# Altium PCB WX0.011.326PCB-4.2.PcbDoc
Units mm, origin at the board's own origin, x right, y up, seen from the top; angles counter-clockwise.
Board outline 106 x 136.8 mm, 2 copper layers (Top Layer, Bottom Layer); 42 components, 24 nets, 115 pads, 115 vias.
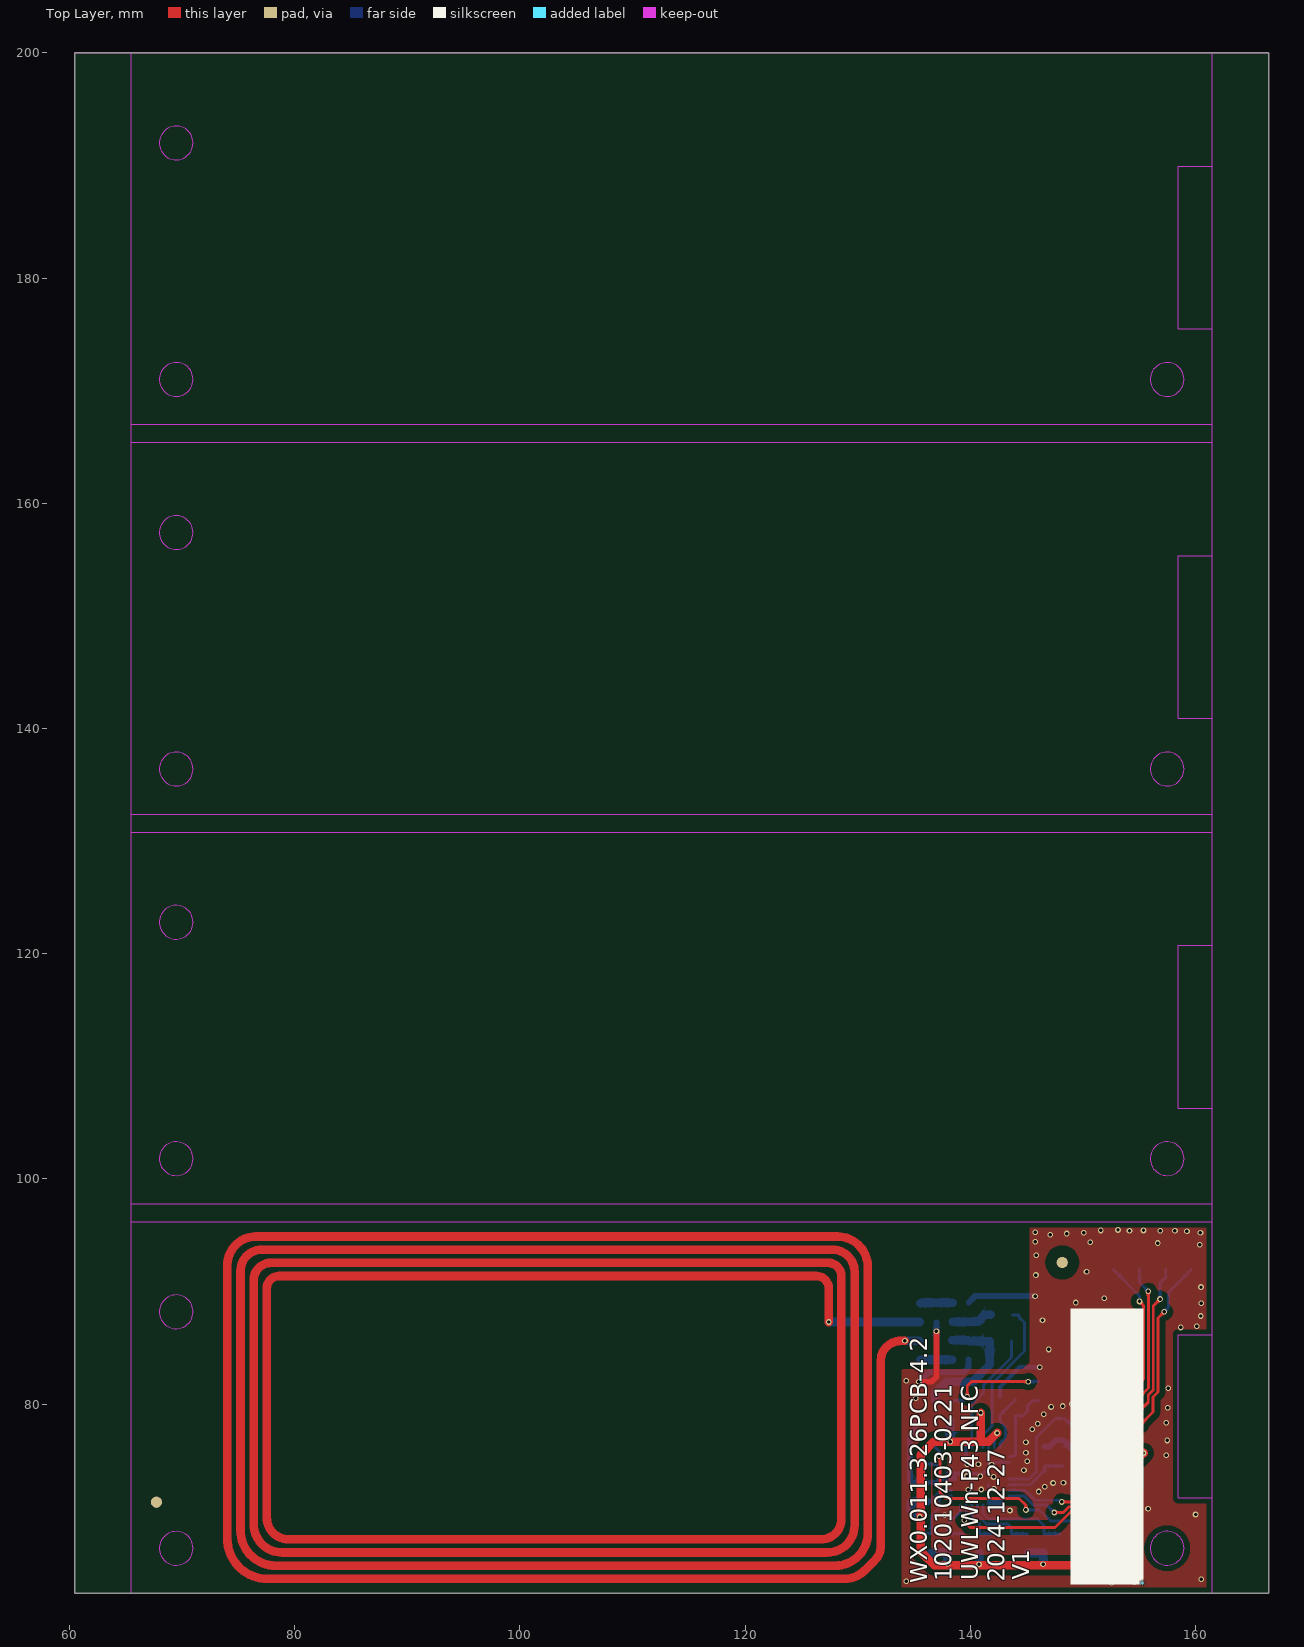
[diagram p0: Top Layer view]
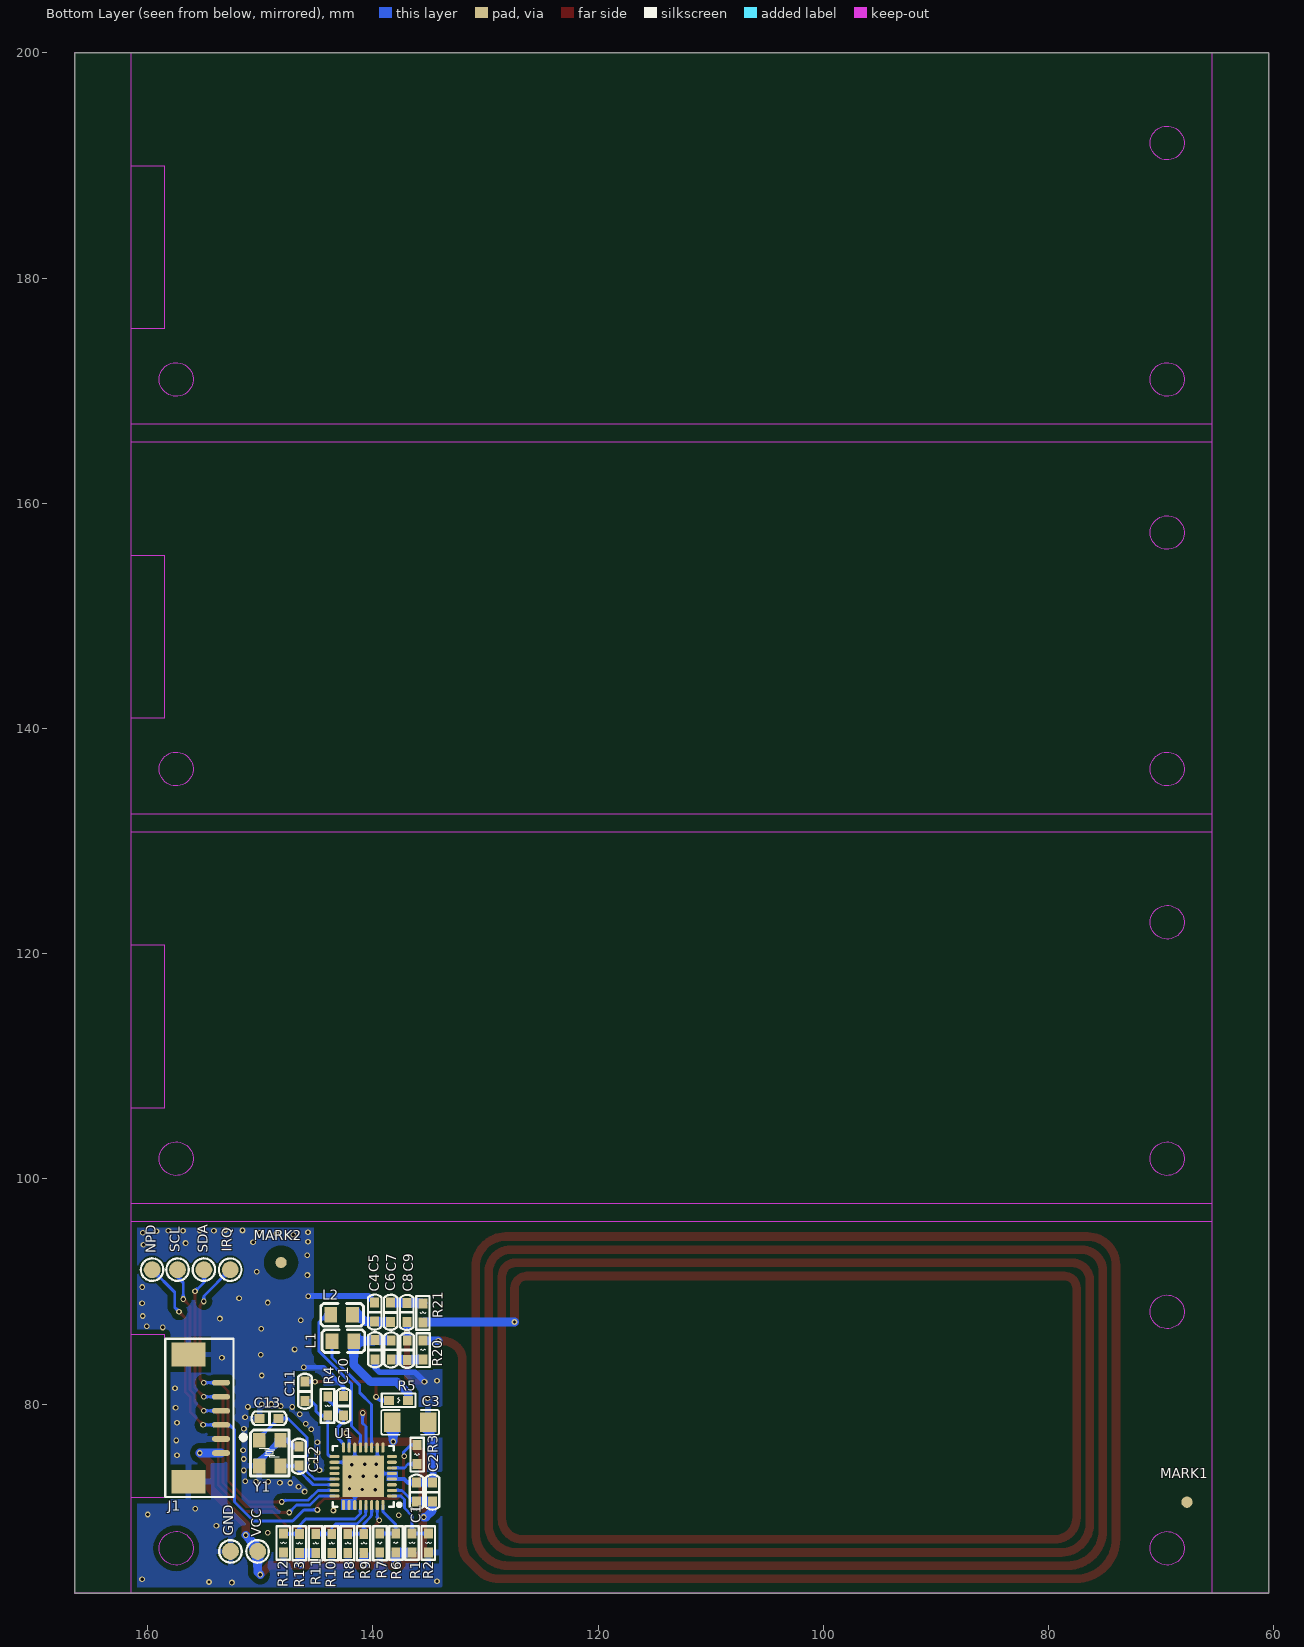
[diagram p1: Bottom Layer view, seen from below]

## Layer stack, top to bottom
Top Solder: solder mask 0.0102, Solder Resist, Dk 3.5
Top Layer: signal copper 0.0356
Dielectric 1: dielectric 0.32, FR-4, Dk 4.8
Bottom Layer: signal copper 0.0356
Bottom Solder: solder mask 0.0102, Solder Resist, Dk 3.5

## Board outline
60.474,63.202 60.474,200.003 166.474,200.003 166.474,63.202

## Design rules (kind name [scope] priority, off if disabled: settings)
Clearance VIA-VIA [ISVIA vs ISVIA] p1: gap=0.508 ignorepadtopadclearanceinfootprint=FALSE except(0: Arc-Hole Track-Hole SMDPad-Hole THPad-Hole Via-Hole Fill-Hole Poly-Hole Region-Hole Text-Hole)
Clearance VIA-PAD [ISVIA vs ISPAD] p2: gap=0.381 ignorepadtopadclearanceinfootprint=FALSE except(0: Arc-Hole Track-Hole SMDPad-Hole THPad-Hole Via-Hole Fill-Hole Poly-Hole Region-Hole Text-Hole)
Clearance VIA-TRACK [ISVIA vs ISTRACK] p3: gap=0.381 ignorepadtopadclearanceinfootprint=FALSE except(0: Arc-Hole Track-Hole SMDPad-Hole THPad-Hole Via-Hole Fill-Hole Poly-Hole Region-Hole Text-Hole)
Clearance Polygon [InPolygon] p4: gap=0.508 ignorepadtopadclearanceinfootprint=FALSE except(0: Arc-Hole Track-Hole SMDPad-Hole THPad-Hole Via-Hole Fill-Hole Poly-Hole Region-Hole Text-Hole)
Clearance [All] p5: gap=0.178 ignorepadtopadclearanceinfootprint=FALSE except(0: Arc-Hole Track-Hole SMDPad-Hole THPad-Hole Via-Hole Fill-Hole Poly-Hole Region-Hole Text-Hole)
ComponentClearance [All] p1 off: gap=0.254 collisioncheckmode=3 verticalgap=0.254 showdistances=FALSE
FabricationTestPointUsage TestPointUsage [All] p1: valid=0 allowmultiple=FALSE
FabricationTestpoint Testpoint [(IsPad And (OnTopLayer Or OnBottomLayer))] p1: side=3 testpointundercomponent=TRUE minsize=1.016 maxsize=2.54 preferedsize=1.524 minholesize=0 maxholesize=1.016 preferedholesize=0.813 testpointgrid=0.025 allowsidetop=TRUE allowsidebottom=TRUE usegrid=TRUE gridtolerance=0
HoleSize [All] p1 off: absolutevalues=TRUE maxlimit=7.62 minlimit=0 maxpercent=80.000 minpercent=20.000
HoleToHoleClearance [All] p1 off: gap=0.254 allowstackedmicrovias=TRUE
LayerPairs [All] p1 off: enforce=TRUE
MinimumSolderMaskSliver [All] p1 off: minsoldermaskwidth=0.254
NetAntennae [All] p1 off: netantennaetolerance=0
PlaneConnect [All] p1: planeconnectstyle=Relief reliefexpansion=0.508 reliefentries=4 reliefconductorwidth=0.508 reliefairgap=0.254
PolygonConnect [isvia] p1: connectstyle=Direct reliefconductorwidth=0.381 reliefentries=4 polygonreliefangle="90 Angle" airgapwidth=0.254
PolygonConnect PolygonConnect_1 [All] p2: connectstyle=Relief reliefconductorwidth=0.508 reliefentries=4 polygonreliefangle="90 Angle" airgapwidth=0.508
RoutingVias [All] p1: holewidth=0.254 width=0.508 viastyle="Through Hole" minholewidth=0.127 minwidth=0.127 maxholewidth=1.27 maxwidth=2.54
SilkToBoardRegionClearance [All] p1 off:
SilkToSilkClearance [All] p1 off: silktosilkclearance=0.254
SilkToSolderMaskClearance [IsPad] p1 off: minsilkscreentomaskgap=0.254 clearancetoexposedcopper=TRUE
SolderMaskExpansion [All] p1: expansion=0.102
Width [All] p1: maxlimit=7.62 minlimit=0.203 preferedwidth=0.203
18 further rules are at their usual default settings.

## Components (designator, comment, footprint, x,y, rotation, side; value= is the part's Value field where it differs from the comment)
* "Bar Code1" "Bar Code1" 155.372,63.983 r90 top
C1 "100nF/50V" CAP0603 136.141,71.361 r90 bottom
C2 "100nF/50V" CAP0603 134.719,71.361 r90 bottom
C3 "100uF/16V" GRM31CR60J107ME39L 135.103,78.384 r0 bottom
C4 "100P" CAP0603 139.827,83.998 r90 bottom
C5 "100P" CAP0603 139.852,87.351 r90 bottom
C6 "22P" CAP0603 138.379,85.649 r270 bottom
C7 "22P" CAP0603 138.43,87.325 r90 bottom
C8 "160P" CAP0603 136.957,85.623 r270 bottom
C9 "160P" CAP0603 136.982,88.976 r270 bottom
C10 "100nF/50V" CAP0603 142.621,79.029 r90 bottom
C11 "1nF/50V" CAP0603 146.05,80.315 r90 bottom
C12 "15P" CAP0603 146.583,74.549 r90 bottom
C13 "15P" CAP0603 148.387,78.74 r0 bottom
GND "TEST-PAD" TEST-PAD 152.654,66.929 r180 bottom
IRQ "TEST-PAD" TEST-PAD 152.679,91.948 r180 bottom
J1 "1.25-6AWR" SMT-1.25-6 153.492,78.788 r270 bottom locked
L1 "Inductor" L0805 141.707,85.598 r0 bottom
L2 "Inductor" L0805 141.808,87.935 r0 bottom
MARK1 "MARK" MARK 67.716,71.298 r90 bottom (schematic designator MARK2)
MARK2 "MARK" MARK 148.158,92.583 r90 bottom
NPD "TEST-PAD" TEST-PAD 159.614,91.948 r180 bottom
R1 "1K 5%" RES0603 136.525,68.513 r270 bottom
R2 "1K 5%" RES0603 135.077,68.513 r270 bottom
R3 "1K 5%" RES0603 136.09,74.676 r90 bottom
R4 "1K 5%" RES0603 144.018,80.68 r270 bottom
R5 "1K" RES0603 136.881,80.34 r0 bottom
R6 "1K 5%" RES0603 137.973,66.837 r90 bottom
R7 "1K 5%" RES0603 139.395,66.811 r90 bottom
R8 "1K 5%" RES0603 142.24,68.488 r270 bottom
R9 "1K 5%" RES0603 140.818,68.488 r270 bottom
R10 "1K 5%" RES0603 143.662,68.488 r270 bottom
R11 "1K 5%" RES0603 145.085,68.488 r270 bottom
R12 "1K 5%" RES0603 147.955,68.513 r270 bottom
R13 "1K 5%" RES0603 146.533,68.488 r270 bottom
R20 "1R" RES0603 135.56,83.972 r90 bottom
R21 "1R" RES0603 135.56,88.951 r270 bottom
SCL "TEST-PAD" TEST-PAD 157.353,91.948 r180 bottom
SDA "TEST-PAD" TEST-PAD 155.016,91.948 r180 bottom
U1 "FM17550" QFN-32_L5.0-W5.0-P0.50-BL-EP3.7 140.866,73.593 r90 bottom
VCC "TEST-PAD" TEST-PAD 150.241,66.929 r180 bottom
Y1 "27.12M" SX-3225 150.114,76.81 r270 bottom

## Footprints (in the part's own frame and the unit in brackets; to place one, negate y for a bottom-side part, rotate by r counter-clockwise, add the part's x,y. Pads: shape width x height; smd on the part's side, far side on the other; paste and mask are expansions set on the pad)
"Bar Code1" [mm]
  silkscreen extent 0,0 24.5,6.5
CAP0603 [mil]
  rect 35x31 smd: 1(-0.49,0) 2(66.51,0)
  silkscreen extent -29,-24 94,23, body extent 1,-15 72,15, height 20
GRM31CR60J107ME39L [mm]
  rect 1.485x1.728 smd: 1(0,0) 2(3.185,0)
  silkscreen extent -0.97,-1.09 4.16,1.09
L0805 [mm]
  rect 1.133x1.377 smd paste-100 mask+0.051: 1(0,0) 2(1.932,0)
  silkscreen extent -0.98,-1.02 2.83,1.02
MARK [mm]
  round 1 smd: 0(0,0)
  round 1 smd far side: 1(0,0)
  Top Layer pour cut-out: -1.5,0 -1.386,-0.574 -1.061,-1.061 -0.574,-1.386 0,-1.5 0,-1.5 0.574,-1.386 1.061,-1.061 1.386,-0.574 1.5,0 1.5,0 1.386,0.574 1.061,1.061 0.574,1.386 0,1.5 0,1.5 -0.574,1.386 -1.061,1.061 -1.386,0.574 -1.5,0
  Bottom Layer pour cut-out: -1.5,0 -1.386,-0.574 -1.061,-1.061 -0.574,-1.386 0,-1.5 0,-1.5 0.574,-1.386 1.061,-1.061 1.386,-0.574 1.5,0 1.5,0 1.386,0.574 1.061,1.061 0.574,1.386 0,1.5 0,1.5 -0.574,1.386 -1.061,1.061 -1.386,0.574 -1.5,0
QFN-32_L5.0-W5.0-P0.50-BL-EP3.7 [mm]
  oval 0.28x0.9 smd paste-100 mask+0.05: 1(-1.75,-2.55) 2(-1.25,-2.55) 3(-0.749,-2.55) 4(-0.249,-2.55) 5(0.249,-2.55) 6(0.749,-2.55) 7(1.25,-2.55) 8(1.75,-2.55) 17(1.75,2.55) 18(1.25,2.55) 19(0.749,2.55) 20(0.249,2.55) 21(-0.249,2.55) 22(-0.749,2.55) 23(-1.25,2.55) 24(-1.75,2.55)
  oval 0.9x0.28 smd paste-100 mask+0.05: 9(2.55,-1.75) 10(2.55,-1.25) 11(2.55,-0.749) 12(2.55,-0.249) 13(2.55,0.249) 14(2.55,0.749) 15(2.55,1.25) 16(2.55,1.75) 25(-2.55,1.75) 26(-2.55,1.25) 27(-2.55,0.749) 28(-2.55,0.249) 29(-2.55,-0.249) 30(-2.55,-0.749) 31(-2.55,-1.25) 32(-2.55,-1.75)
  rect 3.7x3.7 smd paste-100 mask+0.05: 33(0,0)
  silkscreen extent -2.7,-3.35 2.7,2.7
RES0603 [mil]
  rect 35x31 smd: 1(0,0) 2(67,0)
  silkscreen extent -26,-24 92,23, body extent 0,-15 71,15, height 12
SMT-1.25-6 [mm]
  oval 0.5x1.6 smd: 1(-3.125,0) 2(-1.875,0) 3(-0.625,0) 4(0.625,0) 5(1.875,0) 6(3.125,0)
  rect 2.1x3 smd: 7(-5.625,-2.9) 8(5.675,-2.9)
  silkscreen extent -7.02,-4.95 7.02,1.1
SX-3225 [mm]
  rect 1.3x1.1 smd paste-100 mask+0.05: 1(0,0) 2(2.3,0) 3(2.3,1.9) 4(0,1.9)
  silkscreen extent -0.89,-1.68 3.18,2.67
TEST-PAD [mm]
  round 1.5 smd: 1(0,0)
  silkscreen extent -1,-1 1,1

## Part data
*: library part "AD_WXHJ_Bar Code_02", "条形码 ,填充，无需焊接器件"
C1 C2 C4 C5 C6 C7 C8 C9 C10 C11 C12 C13: library part 101020103-0021, "104pF,50 V,±10%,0603,国巨,CC0603KRX7R9BB104"
C3: library part 101020101-0005, "100u,16 V,±10%,1206,国巨,CC1206KRNPO7BN106P"
GND IRQ NPD SCL SDA VCC: library part AD_WXHJ_TEST-PAD_01, "单面焊盘测试点"
J1: library part 1010902-0121, "1.25-6AWR 卷,6针1.25mm,母头,单排,贴片卧式"
MARK1 MARK2: library part AD_WXHJ_MARK_01, "MARK点"
R1 R2 R3 R4 R5 R6 R7 R8 R9 R10 R11 R12 R13: library part 101010103-0008, "1K,±5%,1/10W,0603,国巨,RC0603JR-071KL"
R20 R21: library part 101010103-0003, "国巨,±5%,0603,,155 ℃,-55 ℃,RC0603J2-070RL,无铅,200 ppm/℃,1/10W,,0R"
Y1: "SCX3215(SCX3213089);32.768kHz;精度20%;负载电容12.5pF,3215,32.768kHz,0.03 ppm/℃,无源,Q-SC32S03220C5AAAF,SCX3215"

## Via types
v1: diameter 0.508, hole 0.305, Top Layer to Bottom Layer, tented both sides, 115 vias

## Nets (pads, with @x,y where several pads share a name; then routed paths per layer and width w, separated by ;. In a path a pad name is that pad's centre, name@x,y a point inside that pad or via, vN(x,y) a via of type N, cw(c..) or ccw(c..) an arc to the next point about the centre after c; other vN are vias at no path point)
ADR0: R8.1 R9.1 U1.30 | length 4.3
  Bottom Layer w0.254: U1.30 140.116,70.105 140.208,70.013 140.208,69.976 140.818,69.366 R9.1 R8.1
ADR1: R10.1 R11.1 U1.29 | length 6.4
  Bottom Layer w0.254: U1.29 140.64,71.02 140.64,70.155 141.427,69.367 143.332,69.367 143.662,69.037 R10.1 R11.1
ADR2: R12.1 R13.1 U1.28 | length 8.8
  Bottom Layer w0.254: U1.28 141.115,70.291 141.606,69.799 145.974,69.799 146.533,69.24 R13.1 147.93,68.488 R12.1
"FM17550 TX1": C4.2 C6.1 L1.1 R5.1 | length 11.8
  Bottom Layer w0.762: R5.1 136.881,80.975 137.897,81.991 140.208,81.991 141.707,83.49 L1.1 C4.2@139.916,85.598 ; C6.1@138.405,85.687 C4.2
FM17550_IRQ: IRQ.1 J1.1 U1.23 | length 34
  Top Layer w0.254: v1(148.107,71.323) 151.028,71.323 152.883,73.177 152.883,81.178 153.617,81.913 v1(155.039,81.913) 155.372,82.245 155.372,88.773 v1(155.016,89.129)
  Bottom Layer w0.254: U1.23@143.416,72.323 U1.23 144.889,72.344 145.757,71.476 147.955,71.476 v1(148.107,71.323) ; IRQ.1 155.016,89.611 v1(155.016,89.129) ; J1.1 v1(155.039,81.913)
FM17550_NPD: J1.4 NPD.1 R3.2 | length 47.1
  Top Layer w0.254: v1@137.302,75.387 137.302,72.172 137.836,71.637 144.313,71.637 144.932,71.018 v1(144.932,70.612) ; v1(155.085,78.163) 156.228,79.305 156.228,80.635 156.667,81.075 156.667,87.655 v1(157.226,88.214)
  Bottom Layer w0.254: R3.2 136.652,76.378 137.302,75.728 v1@137.302,75.387 ; v1(144.932,70.612) 146.141,70.612 147.131,69.621 150.622,69.621 152.305,71.305 152.305,77.749 152.719,78.163 J1.4 v1(155.085,78.163) ; v1(157.226,88.214) 157.607,88.595 157.607,89.942 NPD.1
  other v1: 137.211,75.387
FM17550_SCL: J1.3 SCL.1 U1.31 | length 40.4
  Top Layer w0.254: v1(139.446,69.698) 139.446,69.568 139.977,69.037 147.51,69.037 148.932,70.46 151.386,70.46 153.746,72.82 153.746,79.096 154.063,79.413 v1(155.029,79.413) 155.796,80.179 155.796,80.814 156.235,81.254 156.235,88.722 v1(156.845,89.332)
  Bottom Layer w0.254: v1(139.446,69.698) 139.616,69.868 U1.31 ; J1.3 v1(155.029,79.413) ; v1(156.845,89.332) 156.845,90.78 157.353,91.288 SCL.1
FM17550_SDA: J1.2 SDA.1 U1.24 | length 34.3
  Top Layer w0.254: v1(147.447,70.383) 148.245,70.383 148.753,70.891 151.207,70.891 153.314,72.999 153.314,80.485 153.492,80.663 v1(155.034,80.663) 155.804,81.432 v1(155.804,90.018)
  Bottom Layer w0.254: U1.24 144.779,71.843 145.578,71.044 146.787,71.044 v1(147.447,70.383) ; J1.2 v1(155.034,80.663) ; SDA.1 155.016,90.805 v1(155.804,90.018)
GND: C1.2 C2.2 C3.1 C4.1 C5.2 C8.1 C9.2 C10.2 C12.2 C13.2 GND.1 J1.5 J1.7 J1.8 R2.2 R7.1 R8.2 R10.2 R12.2 U1.4 U1.5 U1.10 U1.14 U1.18 U1.25 U1.26 U1.27 U1.33 Y1.2 Y1.4 | length 47.6
  Top Layer w0.508: v1(135.433,81.991) 136.55,81.991 136.982,82.423 v1(136.982,86.487)
  Bottom Layer w0.254: U1.5 U1.33@140.617,73.842 ; U1.33@139.616,74.843 U1.10 ; v1(140.866,73.593) 141.615,74.343 U1.14 ; U1.27 U1.33@141.615,72.844 ; U1.33@142.115,74.843 U1.18
  Bottom Layer w0.381: C1.2 136.932,73.051 137.233,73.352 U1.4@138.315,73.352 ; C10.2 142.621,81.534 144.374,83.287 v1(146.152,83.287)
  Bottom Layer w0.508: C2.2@134.645,73.124 134.645,77.14 135.103,77.597 C3.1 ; C2.2 C1.2 ; v1(135.433,81.991) 136.271,82.829 139.421,82.829 139.827,83.236 C4.1 ; C8.1@136.982,85.661 v1(136.982,86.487) C9.2 ; C5.2 140.424,89.611 145.72,89.611 v1(145.745,89.586) ; C12.2 147.054,76.238 147.625,76.81 Y1.4 Y1.2@150.114,74.91
  other v1: 152.527,64.16 154.559,64.211 134.315,64.287 160.503,64.465 149.352,68.58 153.899,69.215 137.719,70.129 159.995,70.206 143.51,70.561 155.778,70.714 146.075,72.238 139.802,72.399 140.97,72.425 142.088,72.476 146.609,72.669 147.345,73 148.26,73.025 149.301,73.101 150.393,73.101 151.333,73.152 142.062,73.542 139.7,73.619 151.486,74.117 144.755,74.143 141.884,74.635 139.725,74.66 140.716,74.66 145.059,74.93 151.486,75.133 157.404,75.463 144.932,75.692 151.536,75.921 144.932,76.632 157.48,76.784 151.511,76.835 145.491,77.775 151.46,77.826 145.974,78.257 157.404,78.359 151.359,78.842 146.507,79.096 157.531,79.68 147.168,79.756 151.105,79.756 148.209,79.832 149.885,79.985 149.022,80.01 135.153,80.518 157.582,81.407 134.315,82.093 149.885,82.55 153.416,84.125 149.962,84.379 146.964,84.861 149.911,86.69 158.674,86.817 160.096,86.919 146.406,87.452 153.594,87.605 160.452,87.833 160.503,88.976 149.352,89.027 151.892,89.408 160.477,90.399 145.821,91.465 150.317,91.77 145.847,93.218 160.376,94.158 156.642,94.31 150.647,94.386 145.771,94.437 147.091,95.047 148.565,95.148 150.063,95.225 160.426,95.225 145.771,95.275 159.233,95.352 154.127,95.402 156.87,95.402 158.166,95.402 151.587,95.428 155.372,95.428 153.111,95.479
NetC5_1: C5.1 C7.1 L2.1 | length 3.6
  Bottom Layer w0.762: C7.1 C5.1@139.827,87.313 ; C5.1 140.704,87.338 141.3,87.935 L2.1
NetC6_2: C6.2 C8.2 R20.1 | length 2.8
  Bottom Layer w0.762: R20.1@135.573,83.959 C6.2
NetC7_2: C7.2 C9.1 R21.1 | length 2.9
  Bottom Layer w0.762: R21.1 R21.1@135.624,88.951 ; R21.1@135.624,89.015 C7.2
NetC10_1: C10.1 R4.1 U1.16 | length 5.3
  Bottom Layer w0.254: U1.16 142.616,76.472 143.129,76.985 143.129,77.953 142.621,78.461 C10.1 R4.1@144.018,80.413
NetC11_1: C11.1 R4.2 U1.17 | length 7
  Bottom Layer w0.254: U1.17 143.822,75.343 144.018,75.54 144.018,77.978 R4.2 144.662,78.978 145.059,79.375 145.059,79.858 145.504,80.302 C11.1
NetC11_2: C11.2 R5.2 | length 8.7
  Top Layer w0.254: v1(139.725,80.645) 139.725,81.61 140.119,82.004 v1(145.149,82.004)
  Bottom Layer w0.254: R5.2 139.421,80.34 v1(139.725,80.645) ; v1(145.149,82.004) C11.2
NetC12_1: C12.1 U1.22 Y1.3 | length 5.7
  Bottom Layer w0.254: U1.22 145.311,72.844 146.583,74.116 146.583,74.51 Y1.3
NetC13_1: C13.1 U1.21 Y1.1 | length 11.6
  Bottom Layer w0.254: U1.21 145.201,73.344 145.847,73.99 145.847,77.038 147.549,78.74 C13.1 150.114,77 Y1.1
NetL1_2: L1.2 U1.11 | length 11
  Bottom Layer w0.254: U1.11@140.078,76.181 U1.11 140.116,79.958 141.17,81.012 141.17,81.684 143.639,84.152 L1.2
NetL2_2: L2.2 U1.13 | length 14
  Bottom Layer w0.254: U1.13 141.115,77.27 141.91,78.065 141.91,81.812 144.818,84.721 144.818,87.262 144.145,87.935 L2.2
NetR1_1: R1.1 R2.1 U1.1 | length 6
  Bottom Layer w0.254: R2.1 R1.1 136.525,70.081 137.211,70.767 137.211,71.526 137.528,71.843 U1.1
NetR3_1: R3.1 U1.6 | length 2.4
  Bottom Layer w0.254: R3.1 136.881,74.676 137.214,74.343 U1.6
NetR6_2: R6.2 R7.2 U1.32 | length 4.4
  Bottom Layer w0.254: U1.32 139.116,70.445 137.973,69.302 R6.2 137.998,68.513 R7.2
NetR20_2: R20.2 R21.2 | length 640.5
  Top Layer w0.762: v1(127.432,87.3) 127.432,90.277 127.421,90.288 ccw(c126.325,90.288) 126.325,91.384 78.617,91.384 ccw(c78.617,90.288) 77.521,90.288 77.521,69.931 ccw(c79.456,69.931) 79.456,67.996 126.732,67.996 ccw(c126.732,69.814) 128.549,69.814 128.549,91.359 ccw(c127.356,91.359) 127.356,92.552 77.888,92.552 ccw(c77.888,91.017) 76.352,91.017 76.352,69.367 ccw(c78.892,69.367) 78.892,66.827 127.305,66.827 ccw(c127.305,69.24) 129.718,69.24 129.718,91.771 ccw(c127.768,91.771) 127.768,93.721 77.071,93.721 ccw(c77.071,91.834) 75.184,91.834 75.184,68.781 ccw(c78.306,68.781) 78.306,65.659 128.009,65.659 ccw(c128.009,68.536) 130.886,68.536 130.886,92.199 ccw(c128.196,92.199) 128.196,94.889 76.556,94.889 ccw(c76.556,92.349) 74.016,92.349 74.016,68.044 ccw(c77.569,68.044) 77.569,64.491 128.818,64.491 ccw(c128.818,67.031) 130.614,65.235 131.518,66.138 ccw(c130.221,67.434) 132.055,67.434 132.055,83.961 cw(c133.616,83.961) 132.512,85.065 cw(c133.866,83.711) 133.866,85.625 v1(134.188,85.625)
  Bottom Layer w0.762: v1(127.432,87.3) R21.2@135.484,87.3 ; v1(134.188,85.625) R20.2@135.458,85.625
VCC: C1.1 C2.1 C3.2 J1.6 R1.2 R6.1 R9.2 R11.2 R13.2 U1.2 U1.12 U1.15 VCC.1 | length 66.9
  Top Layer w0.762: 140.919,76.708 v1(140.919,79.223) ; v1(142.367,77.445) 141.605,76.683 v1(138.201,76.683) 136.754,76.683 135.585,75.514 135.585,66.904 136.804,65.684 149.2,65.684 v1(150.012,64.872) ; v1(151.308,68.377) 151.308,69.342 154.457,72.492 154.457,74.744 v1(155.376,75.663)
  Bottom Layer w0.254: C1.1 136.423,71.349 137.417,72.344 U1.2 ; U1.12 140.617,78.006 140.919,78.308 v1(140.919,79.223) ; U1.15 142.115,77.193 v1(142.367,77.445)
  Bottom Layer w0.762: v1(135.495,69.977) 135.28,69.977 134.719,70.539 C2.1 C1.1 ; R1.2 137.947,66.811 R6.1 v1@137.973,65.948 ; v1@138.211,76.693 C3.2@138.211,78.511 ; v1(140.767,65.77) 140.767,66.735 R9.2 ; R11.2 R13.2 ; v1(146.456,65.795) R13.2@146.456,66.71 ; v1(150.012,64.872) 150.241,65.1 VCC.1 150.241,67.31 v1(151.308,68.377) ; J1.6 v1(155.376,75.663)
  other v1: 137.973,65.837
pads on no net: MARK1.0 MARK1.1 MARK2.0 MARK2.1 U1.3 U1.7 U1.8 U1.9 U1.19 U1.20

## Polygon pours and split planes (outlines as drawn)
GND on Bottom Layer "Bottom Layer-gnd" (solid, remove dead copper, pour order 2): 161.473,96.266 133.833,96.266 133.833,63.043 161.313,63.043 161.474,63.203
GND on Top Layer "TopLayer-gnd" (solid, remove dead copper, pour order 6): 161.474,96.266 133.883,96.266 133.883,63.094 133.993,63.203 161.474,63.203

## Keep-outs
Keep-Out Layer:
  circle w0.013: c69.474,67.202 r1.5
  circle w0.013: c157.474,67.203 r1.5
  circle w0.013: c69.473,88.202 r1.5
  circle w0.013: c69.473,122.802 r1.5
  circle w0.013: c157.474,101.804 r1.5
  circle w0.013: c69.474,101.802 r1.5
  circle w0.013: c69.473,157.403 r1.5
  circle w0.013: c157.474,136.404 r1.5
  circle w0.013: c69.474,136.402 r1.5
  circle w0.013: c69.473,192.003 r1.5
  circle w0.013: c157.474,171.005 r1.5
  circle w0.013: c69.474,171.003 r1.5
  lines w0.013: 65.474,63.202 161.474,63.202 ; 65.474,63.202 65.474,96.202 ; 65.474,63.202 60.474,63.202 60.474,200.003 65.474,200.003 ; 65.474,96.202 161.474,96.202 161.474,86.152 158.474,86.152 158.474,71.702 161.474,71.702 161.474,63.202 ; 65.474,96.202 65.474,97.802 ; 65.474,97.802 65.474,130.802 ; 65.474,97.802 161.474,97.802 161.474,106.302 158.474,106.302 158.474,120.752 161.474,120.752 161.474,130.802 ; 65.474,130.802 65.474,132.402 ; 65.474,130.802 161.474,130.802 ; 65.474,132.402 65.474,165.402 ; 65.474,132.402 161.474,132.402 ; 65.474,165.402 65.474,167.003 ; 65.474,165.402 161.474,165.402 ; 65.474,167.003 65.474,200.003 ; 65.474,167.003 161.474,167.003 ; 65.474,200.003 161.474,200.003 ; 161.474,63.202 166.474,63.202 166.474,200.003 161.474,200.003 ; 161.474,63.202 161.474,200.003 ; 161.474,130.802 161.474,132.402 ; 161.474,132.402 161.474,140.902 158.474,140.902 158.474,155.352 161.474,155.352 161.474,165.402 ; 161.474,165.402 161.474,167.003 ; 161.474,167.003 161.474,175.503 158.474,175.503 158.474,189.953 161.474,189.953 161.474,200.003

## Other copper
Top Layer:
  pour cut-out: 133.833,63.043 133.833,96.19 65.474,96.19 65.474,63.043
  pour cut-out: 145.263,96.19 133.833,96.19 133.833,83.109 144.628,83.109 145.263,83.744
Bottom Layer:
  rectangle net GND: 137.792,73.198 138.791,74.008
  rectangle net GND: 141.469,70.587 142.847,71.587
  pour cut-out: 133.833,63.043 133.833,96.342 65.474,96.342 65.474,63.043
  pour cut-out: 145.263,96.19 133.833,96.19 133.833,83.109 144.628,83.109 145.263,83.744

## Silkscreen, mask and mechanical layers (free items; w line width, h text height)
Top Overlay:
  text "V1" at 145.72,64.414 h2.54 r90
  text "UWLWn-P43 NFC" at 141.199,64.364 h2.54 r90
  text "102010403-0221" at 138.836,64.262 h2.54 r90
  text "2024-12-27" at 143.561,64.211 h2.54 r90
  text "WX0.011.326PCB-4.2" at 136.677,64.11 h2.54 r90
Mechanical 1:
  circle w0.013: c157.474,67.202 r1.5
  circle w0.013: c69.474,88.202 r1.5
  circle w0.013: c69.473,88.202 r3
  circle w0.013: c157.474,67.203 r3
  lines w0.013: 154.39,73.203 154.39,81.945 158.474,81.945 158.474,73.203 154.39,73.203